# Altium PCB GSMRelay.PcbDoc (continued)
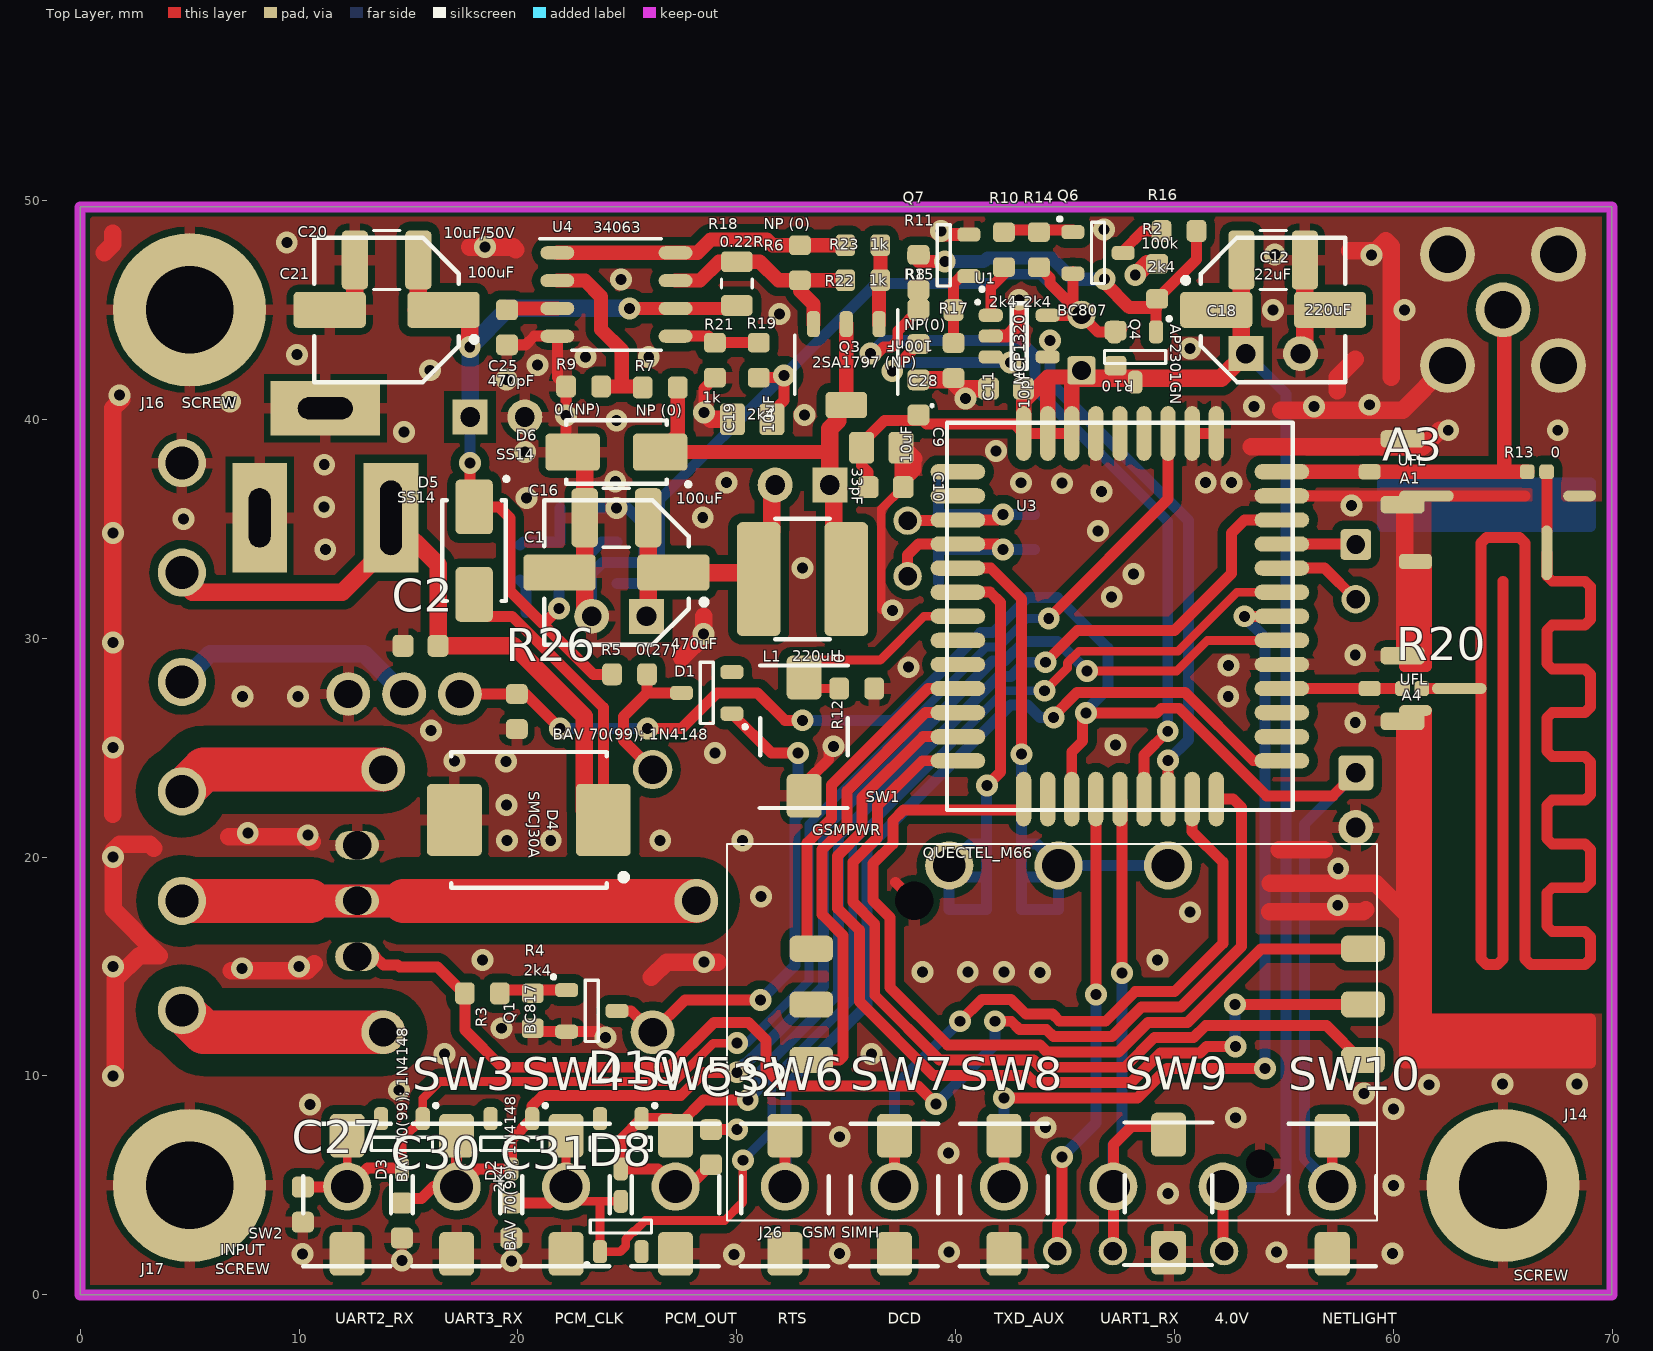
[diagram p0: Top Layer view]
## Footprints (in the part's own frame and the unit in brackets; to place one, negate y for a bottom-side part, rotate by r counter-clockwise, add the part's x,y. Pads: shape width x height; smd on the part's side, far side on the other; paste and mask are expansions set on the pad) (continued)
PTH_MOUNT_HOLE [mm]
  round 7 hole 4: 1(0,0)
PTH_REL_RAS [mm]
  round 2 hole 1.3 mask+0.075: 1(6.15,6) 3(8.15,0) 4(-6.15,6) 5(-6.15,-6)
  round 1.8 hole 1.3 mask+0.075: 2(6.15,-6)
  silkscreen extent -9.6,-7.65 9.6,7.75, body extent -9.6,-7.7 9.6,7.7, height 15.3
PTH_SPEAKER_MCABS-227-RC [mm]
  round 2.2 hole 1.5 mask+0.075: 1(-5,0) 2(0,0) 3(5,0)
  silkscreen extent -11.4,-11.4 11.4,11.4, body extent -11.31,-11.38 11.4,11.38, height 8.7
PTH_TO220AB#1 [mm]
  oval 1.3x2 hole 1.3 mask+0.075: 1(-2.55,-0.35) 2(0,-0.35) 3(2.55,-0.35)
  silkscreen extent -6.45,-2.25 5.1,2.25, body extent -5.12,-2.25 5.12,2.26, height 19.2
PTH_TO220AB#2 [mm]
  round 2 hole 1.3 mask+0.075: 1(-2.55,-0.35) 2(0,-0.35) 3(2.55,-0.35)
  silkscreen extent -6.45,-2.25 5.1,2.25, body extent -5.12,-2.25 5.12,2.26, height 19.2
SMD_0402_RESC1005X37N [mm]
  rrect45% 0.67x0.67 smd mask+0.05: 1(-0.44,0) 2(0.44,0)
  body extent -0.5,-0.25 0.5,0.25, height 0.37
SMD_0603_CAPC1608X95N [mm]
  rrect42% 0.95x1 smd mask+0.075: 1(-0.8,0) 2(0.8,0)
  body extent -0.8,-0.4 0.8,0.4, height 0.95
SMD_0603_RESC1608X55N [mm]
  rrect44% 0.9x1 smd mask+0.075: 1(-0.8,0) 2(0.8,0)
  body extent -0.8,-0.4 0.8,0.4, height 0.55
SMD_0805_CAPC2012X95N [mm]
  rrect35% 1.15x1.45 smd mask+0.075: 1(-0.9,0) 2(0.9,0)
  body extent -1,-0.62 1,0.63, height 1.25
SMD_0805_RESC2012X60N [mm]
  rrect42% 0.95x1.45 smd mask+0.05: 1(-1,0) 2(1,0)
  silkscreen extent -0.2,-0.7 0.2,0.7, body extent -1,-0.6 1,0.6, height 0.6
SMD_1210_CAPC3225X279N [mm]
  rrect35% 1.2x2.7 smd mask+0.075: 1(-1.45,0) 2(1.45,0)
  silkscreen extent -0.6,-1.35 0.6,1.35, body extent -1.6,-1.25 1.6,1.25, height 2.79
SMD_CAPAE660X550N [mm]
  rrect24% 3.3x1.65 smd mask+0.075: 1(-2.6,0) 2(2.6,0)
  silkscreen extent -4.13,-3.3 3.3,3.3, body extent -3.65,-3.3 3.65,3.3, height 5.5
SMD_CON-ATTEND_SIM_115B-AAA0-R01 [mm] "ATTEND SIM Holder 115B-AAA0-R01"
  rrect50% 2x1.2 smd mask+0.05: 1(-20.5,2.19) 2(-20.5,4.73) 3(-20.5,7.27) 5(4.7,2.19) 6(4.7,4.73) 7(4.7,7.27)
  rrect50% 1x1 hole 1.3 mask+0.05: 13(-15.8,12)
  rrect50% 1x1 hole 1.75 mask+0.05: 14(0,0)
  silkscreen extent -21.15,-2.6 8.55,14.6, body extent -21.15,-2.6 8.55,14.6, height 2.4
SMD_CON_ANTENNA_GSM_WIFI_PCB [mm]
  oval 2.5x0.5 smd: 1(1.7,1)
  oval 0.5x1.5 smd: 2(-0.9,2.5) 2(8.9,-5)
  oval 0.5x2.5 smd: 2(-0.9,-4.498) 3(7.9,-3)
  rrect50% 0.7x2.5 smd far side: 2(0,-5.5)
  rrect50% 0.7x1.5 smd: 2(2.1,-5)
  Top Layer lines w0.5: 8.9,-5.5 25,-5.5 25,-4.5 8.9,-4.5 8.9,-5 ; 24.5,-5.496 24.5,3 24,3 24,-5.496 ; 23.5,-5.496 23.5,3 ; 24.45,-5 8.9,-5 ; 6.9,-5 2.1,-5 ; 23,-4.5 23,-5.496 ; 3,-1 20.25,-1 20.5,-1.25 20.5,-1.75 20.25,-2 1.25,-2 1,-1.75 1,-0.25 1.25,0 5,0 20.25,0 20.5,0.25 20.5,2.75 20.25,3 19.25,3 19,2.75 19,1.25 18.75,1 17.25,1 17,1.25 17,2.75 16.75,3 15.25,3 15,2.75 15,1.25 14.75,1 13.25,1 13,1.25 13,2.75 12.75,3 11.25,3 11,2.75 11,1.25 10.75,1 9.25,1 9,1.25 9,2.75 8.75,3 7.25,3 7,2.75 7,1.25 6.75,1 5.25,1 5,1.25 5,2.75 4.75,3 3.25,3 3,2.75 3,1.25 2.75,1 1.7,1 ; 23,-5.496 23,3 25,3 25,-5.496 23,-5.496 ; 8.9,-5 8.975,-4.575 ; 8.9,-5 8.975,-4.575 ; 8.9,-5 8.975,-4.575 ; 2.1,-5 2.1,-5.5 6.9,-5.5 6.9,-4.5 2.1,-4.5 2.1,-5
  Bottom Layer lines w0.5: 0,-6.5 -0.5,-6.5 ; 0,-6.5 0,3 ; 0,-6.5 0.5,-6.5 0.5,3 0,3 ; -0.5,-6.5 -1,-6.5 ; -0.5,-6.5 -0.5,3 ; -1,-6.5 -1.5,-6.5 -1.5,3 -1,3 ; -1,-6.5 -1,3 ; 0,3 -0.5,3 ; -0.5,3 -1,3
SMD_CON_ANTENNA_SMA_RIGHT_ANGLE [mm]
  round 2.5 hole 1.7: 1(0,0) 2(-2.54,-2.54) 2(-2.54,2.54) 2(2.54,-2.54) 2(2.54,2.54)
  silkscreen extent -3.5,-3.5 11.5,3.5, body extent -3.15,-3.15 9.14,3.16, height 9.7
SMD_CON_ANTENNA_UFL [mm]
  rrect50% 0.7x1 smd: 1(0,-1.5)
  rrect50% 0.8x2 smd: 2(-1.5,0) 2(1.5,0)
SMD_DO214AC_SMA [mm]
  rrect24% 2.5x1.7 smd mask+0.075: 1(-2,0) 2(2,0)
  silkscreen extent -3.46,-1.45 2.3,1.65, body extent -2.64,-1.39 2.64,1.4, height 2.29
SMD_DO214AC_SMC [mm]
  rrect16% 2.5x3.3 smd mask+0.075: 1(-3.4,0) 2(3.4,0)
  silkscreen extent -4.47,-3.1 3.55,3.1, body extent -4.06,-3.11 4.07,3.11, height 2.62
SMD_INDM600500 [mm] "FPI0504 DA54"
  rrect25% 2x5.2 smd mask+0.075: 1(-2,0) 2(2,0)
  silkscreen extent -1.25,-2.75 1.25,2.75, body extent -3.1,-3.1 3.1,3.1, height 2.8
SMD_MOD_M66-44N [mm] "Quectel M66"
  oval 2.5x0.7 smd mask+0.075: 1(-7.4,6.6) 2(-7.4,5.5) 3(-7.4,4.4) 4(-7.4,3.3) 5(-7.4,2.2) 6(-7.4,1.1) 7(-7.4,0) 8(-7.4,-1.1) 9(-7.4,-2.2) 10(-7.4,-3.3) 11(-7.4,-4.4) 12(-7.4,-5.5) 13(-7.4,-6.6) 23(7.4,-6.6) 24(7.4,-5.5) 25(7.4,-4.4) 26(7.4,-3.3) 27(7.4,-2.2) 28(7.4,-1.1) 29(7.4,0) 30(7.4,1.1) 31(7.4,2.2) 32(7.4,3.3) 33(7.4,4.4) 34(7.4,5.5) 35(7.4,6.6)
  oval 0.7x2.5 smd mask+0.075: 14(-4.4,-8.35) 15(-3.3,-8.35) 16(-2.2,-8.35) 17(-1.1,-8.35) 18(0,-8.35) 19(1.1,-8.35) 20(2.2,-8.35) 21(3.3,-8.35) 22(4.4,-8.35) 36(4.4,8.35) 37(3.3,8.35) 38(2.2,8.35) 39(1.1,8.35) 40(0,8.35) 41(-1.1,8.35) 42(-2.2,8.35) 43(-3.3,8.35) 44(-4.4,8.35)
  silkscreen extent -8.69,-8.85 7.9,9.73, body extent -7.9,-8.85 7.9,8.85, height 2.3
SMD_SOIC127P600X175-8N [mm]
  oval 1.55x0.6 smd mask+0.075: 1(-2.7,1.905) 2(-2.7,0.635) 3(-2.7,-0.635) 4(-2.7,-1.905) 5(2.7,-1.905) 6(2.7,-0.635) 7(2.7,0.635) 8(2.7,1.905)
  silkscreen extent -3.5,-2.55 2.05,2.55, body extent -3,-2.5 3,2.5, height 1.75
SMD_SOT23_SOT95P240X120-3N [mm]
  rrect62% 1.05x0.65 smd mask+0.075: 1(-1.15,0.95) 2(-1.15,-0.95) 3(1.15,0)
  silkscreen extent -1.82,-1.4 0.3,1.62, body extent -1.2,-1.45 1.2,1.45, height 1.2
"SMD_SOT26_SOT95P285X140-5N - DLV" [mm]
  rrect67% 1.1x0.6 smd mask+0.075: 1(-1.3,0.95) 2(-1.3,0) 3(-1.3,-0.95) 4(1.3,-0.95) 5(1.3,0.95)
  silkscreen extent -2.05,-1.5 0.35,1.7, body extent -1.5,-1.5 1.5,1.5, height 1.2
SMD_SOT89_SOT150P400X130-4N [mm]
  rrect67% 1.2x0.6 smd mask+0.075: 1(-1.85,1.5) 2(-1.85,0) 3(-1.85,-1.5)
  rrect33% 1.2x1.9 smd mask+0.075: 4(1.85,0)
  silkscreen extent -2.5,-2.35 1.35,2.35, body extent -2,-2.27 2,2.28, height 1.3
SMD_SW_DTSM-3 [mm]
  rrect31% 2x1.6 smd mask+0.075: 1(-2.7,0) 2(2.7,0)
  silkscreen extent -3.26,-2 3.25,2.02, body extent -4,-1.75 4,1.75, height 5.5

## Part data
A1 A2 A4: library part ANTENNA_2
A3: library part ANTENNA_3
C1 C17 C18 C21 C22 C29: library part "CAPACITOR POL", "Capacitor"
C2 C19 C25 C28 C33: library part CAP, "Capacitor"
C3 C4 C5 C6 C7 C8 C9 C10 C11 C13 C14 C15 C16 C20 C23 C24 C26 C27 C30 C31 C32: library part C
C12: library part "Cap Semi", "CL32A227MQVNNNE 220UF 6.3V 20% X5R 1210"
D1 D2 D3 D7 D8 D10: library part D_A1C3, "1N4148"
D4: library part D
D5 D6: library part D_STKY
J1 J2 J7 J8 J9 J10 J11 J12 J13: library part CON_2PINS
J3 J6 J15: library part CON_3PINS
J5: library part CON_4PINS
J14 J16 J17: library part CON_1PIN
J26: library part CON_14PINS
K1: library part RELAY_SPDT
L1: library part INDUCTOR1, "FPI0504 DA54"
L2: library part INDUCTOR1
Q1 Q7: library part BJT_NPN_B1E2C3
Q2 Q5: library part MOS_N_D1_G1D2S3
Q3: library part BJT_PNP_B1C2E3C4
Q4: library part MOS_P_D1_G1S2D3
Q6: library part BJT_PNP_B1E2C3
R1 R2 R3 R4 R5 R6 R7 R8 R9 R10 R11 R12 R13 R14 R15 R16 R17 R20 R24 R25 R26: library part R
R18 R19 R21 R22 R23: library part RES2
SW1 SW2 SW3 SW4 SW5 SW6 SW7 SW8 SW9 SW10: library part BUTTON_3
U1: library part IC_MCP1320, "Voltage Supervisor with Watchdog"
U2: "MCP73812"
U3: library part MOD_QUECTEL_M66
U4: "DC/DC converter"

## Via types
v1: diameter 1, hole 0.5, Top Layer to Bottom Layer, tented both sides, 163 vias

## Nets (pads, with @x,y where several pads share a name; then routed paths per layer and width w, separated by ;. In a path a pad name is that pad's centre, name@x,y a point inside that pad or via, vN(x,y) a via of type N, cw(c..) or ccw(c..) an arc to the next point about the centre after c; other vN are vias at no path point)
4.0V: C1.1 C16.2 C17.1 C19.1 D7.3 J1.1 L1.2 L2.2 Q4.2 Q6.2 R1.1 R14.2 R19.1 U1.5 U2.3 | length 55.8
  Top Layer w0.5: R19.1 32.05,41.9 v1(32.15,42) 32.15,40.854 31.6,40.304 C19.1 ; R14.2 44.3,46.45 44.3,46.194 J1.1@45.35,45.144 ; U1.5 J1.1@45.744,44.75 ; Q6.2@45.35,46.75 J1.1@45.35,45.144 ; R1.1@47.6,44.144 47.45,43.994 46.5,43.994 J1.1@45.744,44.75 ; J1.1@45.35,45.144 J1.1@45.744,44.75
  Top Layer w0.8: C17.1 25.95,31.079 C16.2 ; C1.1 31,33 31,34.3 31.6,34.9 31.6,36.85 L2.2
  Bottom Layer w0.5: U2.3 25.866,32.5 ; C17.1 25.871,32.496 26.475,33.1 26.475,36.325 v1(32.15,42) 36.35,46.2 41.775,46.2 42.2,46.625 43.869,46.625 J1.1@45.744,44.75
8-24V: C2.1 D4.1 D5.2 J4.2 J6.1 | length 46.5
  Top Layer w0.5: J4.2@4,32.5 J4.2@4.72,32.5 ; J6.1@14,34.57 14,35.07 J6.1@14.77,34.3 ; D5.2 18,31.075 18.075,31 19.725,31 23.9,26.825 D4.1
  Top Layer w0.8: J4.2@4.72,32.5 5.12,32.1 11.975,32.1 J6.1@13.85,33.975 ; J6.1 16.35,33.35 C2.1 19.8,29.65 23.025,26.425 23.025,22.149 D4.1@23.974,21.2
ADC0: U3.9
AGND: U3.1
AVDD: U3.8
BT_ANT: A4.1 R20.2 U3.26 | length 5.5
  Top Layer w0.5: U3.26 A4.1 R20.2
BTN_CALL: C32.1 D10.1 D10.3 J7.1 SW5.2 U3.33 | length 55.6
  Top Layer w0.5: SW5.2@27.2,7.25 26.956,7.006 26.956,8.05 D10.1 24.7,7.1 D10.3 26.4,5.75 J7.1 27.82,4.95 C32.1 ; SW5.2@27.437,7.143 27.437,7.862 28.475,8.9 v1(30.5,8.9) ; v1(44.1,28.9) 45.55,30.35 50,30.35 52.6,32.95 52.6,34.8 53.2,35.4 U3.33
  Bottom Layer w0.5: v1(30.5,8.9) 30.95,9.35 30.95,10.117 30.983,10.15 31.009,10.15 34.65,13.791 34.65,20.938 41.962,28.25 42.518,28.25 43.168,28.9 v1(44.1,28.9)
BTN_CALL_DENY: C31.1 D8.1 D8.3 J7.2 SW4.2 U3.30 | length 61.2
  Top Layer w0.4: SW4.2@22.2,7.65 J7.2 22.875,4.275 D8.3 ; 23.75,4.225 D8.1 24.675,1.975 24.925,2.225 24.925,2.548 25.277,2.9 25.325,2.9 25.825,3.4 29.437,3.4 30.275,4.238 v1(30.275,6.15) ; v1(44.055,27.6) 44.073,27.6 45.1,28.627 45.1,28.873 45.627,29.4 50.15,29.4 52.85,32.1 U3.30
  Top Layer w0.5: C31.1 21.45,4.2 J7.2
  Bottom Layer w0.4: v1(30.275,6.15) 31.6,7.475 31.6,9.822 35.3,13.522 35.3,20.669 42.231,27.6 v1(44.055,27.6)
COIL: D1.3 K1.2 R5.1 | length 6.9
  Top Layer w0.5: R5.1 25.9,27.5 ; K1.2 24.824,25.326 24.824,26.424 25.9,27.5 ; D1.3 25.9,27.5
COMMON: J3.2 K1.3 Q2.2 | length 47
  Top Layer w1.5: 10.5,18 14.8,18
  Top Layer w2: J3.2 10.5,18 ; 14.8,18 K1.3
  Bottom Layer w1.5: 10.5,18 Q2.2 14.8,18
  Bottom Layer w2: J3.2 10.5,18 ; 14.8,18 K1.3
DBGTXD: U3.39
DIV_IN1: C30.1 D2.1 D2.3 J2.1 SW3.2 U3.28 | length 60
  Top Layer w0.4: v1(46,28.5) 50.099,28.5 51.499,29.9 U3.28
  Top Layer w0.5: C30.1 14.9,4.4 15.6,4.4 16.15,4.95 J2.1 SW3.2@17.2,7.65 ; J2.1@17.25,4.85 18.15,5.75 D2.3 19.7,7.1 D2.1 20.65,8.625 21.125,9.1 27.438,9.1 28.508,10.169 v1(30,10.169)
  Bottom Layer w0.5: v1@30.006,10.163 30.006,10.26 30.297,10.55 30.394,10.55 30.694,10.85 30.719,10.85 33.95,14.081 33.95,21.228 41.672,28.95 42.228,28.95 43.128,29.85 44.65,29.85 v1(46,28.5)
DIV_IN2: C27.1 D3.1 D3.3 J2.2 SW2.2 U3.38 | length 64
  Top Layer w0.4: J2.2@12.2,4.936 J2.2 SW2.2@12.2,7.65 ; D3.3 14.7,5.8 14.7,7.1 D3.1 15.65,8.975 16.425,9.75 27.169,9.75 28.919,11.5 v1(30,11.5)
  Top Layer w0.5: C27.1 12.211,4.925 12.236,4.9 13.136,5.8 D3.3@14.7,5.8 ; v1(44.248,30.9) 49.7,36.352 U3.38
  Bottom Layer w0.4: v1(30,11.5) 30.45,11.5 33.3,14.35 33.3,21.498 41.402,29.6 41.958,29.6 43.258,30.9 44.107,30.9 44.248,31.042 v1(44.248,30.9)
GND: A1.2 A2.2 A3.2 A4.2 C1.2 C2.2 C3.1 C4.1 C5.1 C6.1 C9.2 C10.2 C11.2 C12.2 C15.2 C16.1 C17.2 C18.2 C19.2 C20.1 C21.2 C22.2 C23.2 C24.2 C25.2 C26.2 C27.2 C28.1 C29.2 C30.2 C31.2 C32.2 C33.1 D4.2 D6.2 D7.1 J4.3 J5.3 J6.2 J6.3 J13.2 J14.1 J16.1 J17.1 J26.13 J26.14 Q1.2 Q2.3 Q5.3 Q7.2 R2.1 R4.2 R9.1 R12.2 R17.1 R21.2 R25.2 R26.2 SW1.1 SW2.1 SW3.1 SW4.1 SW5.1 SW6.1 SW7.1 SW8.1 SW9.1 SW10.1 U1.2 U2.2 U3.27 U3.34 U3.36 U3.37 U3.40 U3.41 U4.4 | length 184.8
  Top Layer w0.4: 36.6,31.316 36.6,35.9 C10.2
  Top Layer w0.5: C21.2 12.525,45 C21.2@12.55,45.025 ; C25.2 20.35,43.4 20.745,43.795 U4.4 21.8,41.9 R9.1 22.2,38.8 D6.2 ; R4.2 20.825,12.025 23.725,12.025 v1(24,11.75) ; v1(28.5,40.317) 28.5,41.4 R21.2 ; C32.2 v1(30,7.55) ; SW1.1 33.075,23.34 34.2,24.465 34.2,24.84 v1(34.422,25.062) ; 37.25,18.85 J26.14 ; U3.37 U3.36 ; U3.34 66,36.5 ; C29.2 C29.2@55.95,43.2
  Top Layer w0.6: v1(39.325,48.6) 39.325,48.65 39.535,48.44 Q7.2 ; U1.2 42.342,43.8 42.884,44.343 v1(42.884,45.462)
  Top Layer w0.8: 1.105,47.605 1.5,48 1.5,48.5 ; 1.5,21.95 1.5,40.5 v1@1.9,40.9 ; v1@1.604,10.442 1.604,14.412 2.692,15.5 3.614,15.5 1.507,17.607 1.507,20.286 1.8,20.579 3.188,20.579 3.367,20.4 ; 6.8,20.93 10.37,20.93 v1@10.6,20.7 ; 6.9,14.807 10.375,14.807 10.7,15.132 ; J6.3@8,35.07 J6.3@8,37.07 ; C21.2@12.55,45.025 C20.1 ; D4.2@16.75,22.6 D4.2@17.4,22.6 ; 17.8,47.87 19.78,47.87 19.9,47.75 ; D6.2 23.05,37.95 C16.1 23.05,31.321 C17.2 ; 26.1,14.504 26.796,15.2 29.125,15.2 ; 27.492,29.098 28.478,30.084 28.478,31 ; v1(28.5,40.317) 28.817,40 C19.2 ; C9.2 37.6,38.6 C10.2@37.6,37.3 ; C9.2@37.541,38.741 38.086,38.195 38.025,38.134 38.025,37.725 C10.2@37.6,37.3 ; C10.2 C10.2@37.6,37.3 ; C28.1 39.814,41.8 40.214,41.4 C11.2 ; v1(48.2,46.6) 48.25,46.6 48.75,47.1 R2.1 ; 53.5,38.741 61.341,38.741 62.1,39.5 v1(62.5,39.5) ; 54.347,17.5 58.626,17.5 58.726,17.6 ; 54.373,18.8 59.186,18.8 60.504,17.482 A4.2@60.504,26.2 ; 54.77,20.33 56.831,20.33 ; 54.845,40.42 60.42,40.42 A2.2@62.46,42.46 ; C29.2@55.95,43.2 C12.2@55.95,47.5 ; 57.424,41.299 57.424,41.914 58.253,42.743 ; 57.99,47.69 59.19,47.69 59.65,48.15 59.9,47.9 59.9,41.925 ; A1.2@60.41,36.1 60.504,36.006 A4.2@60.504,29.2 ; A1.2@60.41,39.1 A1.2@60.769,38.741
  Bottom Layer w0.5: C17.2 23.371,32.956 23.865,33.45 U2.2 25.75,33.45 25.75,35.2 25,35.95 R25.2
  other v1: 19.7,1.541 14.7,1.575 29.875,1.85 10.15,1.875 34.7,1.9 59.95,1.9 39.7,1.95 54.65,1.95 49.7,4.625 60,5 39.675,6.475 34.7,7.225 44.1,7.65 52.79,8.092 60,8.5 10.5,8.7 58.65,9.2 14.575,9.35 61.625,9.6 64.975,9.642 68.375,9.642 1.5,10 16.644,11 36.147,11 19.25,12.181 43.85,14.725 38.475,14.75 40.55,14.75 42.2,14.75 7.397,14.92 1.5,15 10,15 28.5,15.2 18.375,15.3 49.225,15.3 50.7,17.482 57.45,17.8 31.111,18.203 57.475,19.475 1.5,20 19.5,20.75 21.5,20.75 26.5,20.75 30.25,20.75 10.4,21 7.659,21.1 19.475,22.375 17.102,24.382 19.46,24.375 29,24.75 1.5,25 47.303,25.125 16.025,25.775 58.25,26.15 7.423,27.343 9.948,27.343 52.45,27.343 37.85,28.675 52.468,28.75 58.25,29.225 1.5,29.8 28.478,30.195 37.111,31.275 47.125,31.875 48.124,32.925 33.004,33.2 11.2,34.05 1.5,34.8 46.493,34.89 4.72,35.45 28.444,35.52 24.5,35.95 11.15,35.987 58.073,36.059 20.396,36.4 46.661,36.7 44.847,37.08 29.529,37.111 42.984,37.1 51.419,37.111 52.6,37.12 24.448,37.162 11.151,37.925 20.315,38.5 41.837,38.55 14.8,39.425 67.5,39.5 24.5,39.95 22.2,40.175 33.096,40.2 53.622,40.579 56.372,40.579 58.91,40.665 6.85,40.8 40.45,40.95 1.8,41.1 19.475,41.825 15.975,42.24 20.897,42.475 23.084,42.844 25.975,42.85 9.9,42.95 50.7,43.227 31.947,44.807 54.5,45 60.5,45 24.706,46.379 59,47.5 54.575,47.525 18.5,47.87 9.44,48.084 46.775,48.675
GSM_DTR: R8.1 R11.2 R15.2 U3.19 | length 34.6
  Top Layer w0.5: v1(36.1,43) 36.4,43 36.7,43.3 37.057,43.3 37.35,43.593 37.35,44.04 R8.1 ; U3.19 48.6,24.665 v1(49.685,25.75)
  Bottom Layer w0.5: v1(36.1,43) 36.693,43.593 42.936,43.593 43.614,42.915 43.614,41.413 49.685,35.342 v1(49.685,25.75)
GSM_PWRKEY: R12.1 SW1.2 U3.7 | length 10.3
  Top Layer w0.4: R12.1 33.575,27.7 SW1.2 33.075,28.7 33.375,29 36.55,29 38.55,31 U3.7
GSM_RI: U1.4 U3.20 | length 24.8
  Top Layer w0.5: U1.4 44.314,42.964 v1(44.314,43.6) ; U3.20 v1(49.7,24.421)
  Bottom Layer w0.5: v1(44.314,43.6) 44.314,41.703 50.635,35.382 50.635,25.356 v1(49.7,24.421)
GSM_RTS: J8.2 SW6.2 U3.23 | length 43.4
  Top Layer w0.5: J8.2 SW6.2@32.2,7.65 ; v1(44.475,26.375) 44.475,26.452 45.548,27.525 50.465,27.525 53.59,24.4 U3.23
  Bottom Layer w0.5: J8.2 32.25,5 32.25,9.552 35.95,13.252 35.95,20.4 42.5,26.95 43.27,26.95 43.845,26.375 v1(44.475,26.375)
GSM_RX: J5.2 J9.1 SW9.2 U3.18 | length 26.1
  Top Layer w0.5: J5.2@47.23,2 47.2,2.03 J9.1 47.2,6.87 48.03,7.7 SW9.2@49.75,7.7 ; U3.18 47.6,22.55 v1(47.6,14.7)
  Bottom Layer w0.5: J9.1@47.23,4.95 47.5,5.22 47.45,5.27 47.625,5.445 47.18,5.89 47.18,6.85 47.6,7.27 v1(47.6,14.7)
GSM_TX: J5.1 U3.17 | length 21.5
  Top Layer w0.5: J5.1 44.64,3.225 44.847,3.432 v1(44.847,6.3) ; v1(46.4,13.725) U3.17@46.4,22.75
  Bottom Layer w0.5: v1(44.847,6.3) 46.4,7.853 v1(46.4,13.725)
GSM_VDD: C9.1 C10.1 C11.1 C12.1 C18.1 C28.2 C29.1 J1.2 J5.4 J10.2 Q4.3 R1.2 U3.42 U3.43 U3.44 | length 79
  Top Layer w0.5: C9.1 35.7,37.9 36,37.6 C10.1 ; C9.1@35.7,38.8 35.7,38.9 36.75,39.95 38.49,39.95 38.665,39.775 42.675,39.775 U3.44 U3.43 U3.42 ; J10.2 52.2,2.11 J5.4@52.31,2 ; C29.1@53.05,43.2 C29.1
  Top Layer w0.7: U3.44 43.1,40.815 44.22,41.936 J1.2@45.3,41.936 ; U3.43 44.2,41.925 ; U3.42 J1.2@45.3,41.886
  Top Layer w0.8: J1.2@45.3,41.886 52.136,41.886 C29.1 ; C29.1@53.05,43.2 C12.1@53.05,47.5
  Bottom Layer w0.5: J10.2 52.2,4.9 54.475,4.9 55.085,5.51 55.085,41.165 C29.1
LED_GREEN: J11.1 U3.32 | length 3.4
  Top Layer w0.5: U3.32 J11.1@58.253,34.3
LED_NETWORK: J10.1 J13.1 Q5.1 R26.1 SW10.2 U3.16 | length 79.9
  Top Layer w0.5: Q5.1 20.35,27.45 v1(21.925,25.875) ; v1(25.912,25.875) 27.475,25.875 29.1,27.5 30.95,27.5 32.2,26.25 v1(33,26.25) ; U3.16 45.3,24.8 45.8,25.3 45.8,26.425 v1(45.95,26.575) 49.166,26.575 49.391,26.8 50.2,26.8 54.2,22.8 57.225,22.8 J13.1 ; J10.1 SW10.2@57.2,7.65
  Bottom Layer w0.5: v1(21.925,25.875) v1(25.912,25.875) ; v1(33,26.25) 37.133,26.25 41.133,30.25 41.689,30.25 43.289,31.85 44.642,31.85 46.95,29.542 46.95,27.7 45.95,26.7 v1(45.95,26.575) ; J10.1 55.925,6.225 55.925,21.5 J13.1
LED_RED: J11.2 U3.31 | length 4
  Top Layer w0.5: U3.31 56.853,33.2 J11.2
MICN: C7.2 C8.2 C15.1 C23.1 J12.1 U3.4 | length 11.5
  Top Layer w0.5: J12.1 37.8,33.797 38.303,34.3 U3.4 41.912,34.3 v1(42.162,34.05)
  Bottom Layer w0.5: C15.1 39.22,32.555 C7.2 C8.2 v1(42.162,34.05) C23.1@43.6,34.05
MICP: C3.2 C4.2 C7.1 C8.1 J12.2 U3.3 | length 10.4
  Top Layer w0.5: J12.2 40.07,35.37 U3.3 41.913,35.4 v1(42.163,35.65)
  Bottom Layer w0.5: C4.2 39.22,37.145 C7.1 C8.1 v1(42.163,35.65) C3.2
NC: J3.3 K1.5 | length 19.2
  Top Layer w2: J3.3 5.65,24 K1.5
  Bottom Layer w2: J3.3 5.65,24 K1.5
NetA3_1: A3.1 A3.3 R13.1 R20.1 | length 4.4
  Top Layer w0.5: R20.1 A3.3 ; A3.1@67,34.9 R13.1@67,37.6
NetC25_1: C25.1 U4.3 | length 2.3
  Top Layer w0.65: C25.1 19.565,45.065 U4.3
NetD6_1: D6.1 L1.1 L2.1 Q3.2 Q3.4 R7.2 | length 23.2
  Top Layer w0.65: R7.2@27.3,41.5 27.3,39.3 D6.1 34.2,38.5 ; Q3.4 Q3.2
  Top Layer w0.8: L1.1@35,33 35,33.622 34.422,34.2 34.422,36.828 L2.1 34.25,39.575 34.6,39.925 34.6,40.65 Q3.4
NetQ1_1: Q1.1 R3.1 R4.1 | length 3.1
  Top Layer w0.5: R3.1 19.325,13.925 Q1.1
NetQ3_1: Q3.1 R22.2 R23.1 | length 3.6
  Top Layer w0.65: Q3.1 36.5,46.292 R22.2 R23.1
NetQ3_3: Q3.3 R6.2 R18.1 R22.1 U4.7 | length 10.7
  Top Layer w0.65: U4.7 28.317,46.335 29.182,47.2 R18.1 31.05,47.2 31.9,46.35 R6.2 ; Q3.3 33.5,45.252 32.882,45.871 R6.2 ; R22.1 R6.2
NetQ6_3: Q6.3 R16.2 | length 2.1
  Top Layer w0.5: Q6.3@47.65,47.7 48.55,48.6 R16.2
NetQ7_1: Q7.1 R8.2 R17.2 | length 3.5
  Top Layer w0.5: R17.2 R8.2 39.9,46.19 40.25,46.54 Q7.1
NetR6_1: R6.1 R23.2 U4.1 U4.8 | length 13.5
  Top Layer w0.65: U4.1 U4.8 28.205,47.605 28.811,48.211 31.364,48.211 31.625,47.95 R6.1 R23.2
NetR7_1: R7.1 R9.2 U4.2 | length 8.7
  Top Layer w0.65: U4.2 23.065,46.335 23.8,45.6 23.8,44.1 24.748,43.152 24.748,41.5 ; R9.2 24.748,41.5 ; R7.1@25.7,41.5 24.748,41.5
NetR19_2: R19.2 R21.1 U4.5 | length 3.9
  Top Layer w0.5: U4.5 28.705,43.795 R21.1 R19.2
NO: J3.1 K1.4 | length 19.2
  Top Layer w2: J3.1 5.65,12 K1.4
  Bottom Layer w2: J3.1 5.65,12 K1.4
OUT: Q2.1 R3.2 U3.22 | length 58.5
  Top Layer w0.5: Q2.1 13.484,15.45 13.865,15.07 14.505,15.07 14.6,14.975 16.325,14.975 17.575,13.725 17.575,12.1 19.275,10.4 26.9,10.4 28.95,12.45 30.525,12.45 31.325,11.65 31.325,10.325 32.1,9.55 38.275,9.55 v1(39.1,8.725) ; v1(41.8,12.5) 42.535,12.5 42.91,12.125 44.135,12.125 44.46,11.8 47.14,11.8 48.49,13.15 50.29,13.15 53.05,15.91 53.05,22.275 52.675,22.65 U3.22
  Bottom Layer w0.5: v1(39.1,8.725) 41.8,11.425 v1(41.8,12.5)
OUTPUT: D1.1 K1.1 Q1.3 | length 23.5
  Top Layer w0.5: Q1.3 25.175,12.975 K1.1 27.625,13.475 v1(31.075,13.475) ; D1.1 31.575,24.75 v1(32.8,24.75)
  Bottom Layer w0.5: v1(31.075,13.475) 32.65,15.05 32.65,21.767 33,22.117 32.8,22.317 v1(32.8,24.75)
OUTPUT2: J4.1 Q5.2 | length 11.5
  Bottom Layer w0.8: J4.1 5.95,29.3 12.95,29.3 Q5.2
PROG: R24.2 R25.1 U2.5 | length 3.4
  Bottom Layer w0.5: R24.2@20.1,34.25 20.25,34.4 U2.5 R25.1
RESERVED: U3.15
RF_ANT: A1.1 A2.1 R13.2 U3.35 | length 18.6
  Top Layer w0.65: U3.35 A1.1 65.06,37.6 ; A2.1@65.06,45 65.06,37.6 ; R13.2 65.06,37.6
RFTXMON: U3.25
SENSE_5V: J8.1 SW7.2 U3.21 | length 33
  Top Layer w0.5: J8.1 SW7.2@37.2,7.65 ; v1(40.2,12.5) 41.2,13.5 42.525,13.5 43.2,12.825 44.425,12.825 44.75,12.5 46.85,12.5 48.2,13.85 50,13.85 52.2,16.05 52.2,19.775 50.8,21.175 U3.21
  Bottom Layer w0.5: J8.1 37.2,9.5 v1(40.2,12.5)
SIM_CLK: J26.3 U3.13 | length 39.1
  Top Layer w0.5: U3.13 38.475,24.4 36.425,22.35 36.425,20.889 35.3,19.764 35.3,17.951 36.3,16.951 36.3,13.69 39.265,10.725 43.555,10.725 43.88,10.4 47.72,10.4 49.07,11.75 50.87,11.75 51.42,12.3 56.93,12.3 J26.3@58.5,10.73
SIM_GND: J26.5 U3.10 | length 15.6
  Top Layer w0.5: J26.5@33.3,15.81 33.2,15.91 33.2,20.634 34.325,21.759 34.325,23.3 38.725,27.7 U3.10
SIM_IO: J26.7 U3.11 | length 21.2
  Top Layer w0.5: J26.7@33.3,10.73 34.688,10.73 34.85,10.892 34.85,16.421 33.9,17.371 33.9,20.344 35.025,21.469 35.025,23.01 38.615,26.6 U3.11
SIM_RST: J26.2 U3.12 | length 42.8
  Top Layer w0.5: U3.12 38.505,25.5 35.725,22.72 35.725,21.179 34.6,20.054 34.6,17.661 35.6,16.661 35.6,13.4 38.975,10.025 43.265,10.025 43.59,9.7 48.01,9.7 49.36,11.05 51.16,11.05 51.46,11.35 v1(52.775,11.35) ; v1(52.75,13.27) J26.2@58.5,13.27
  Bottom Layer w0.5: v1(52.75,13.27) 52.75,11.375 v1(52.775,11.35)
SIM_VDD: J26.1 U3.14 | length 39.7
  Top Layer w0.5: U3.14 43.1,22.15 37.614,22.15 37.125,21.661 37.125,20.599 36.225,19.699 36.225,18.023 37,17.248 37,14.05 39.625,11.425 43.845,11.425 44.17,11.1 47.43,11.1 48.78,12.45 50.58,12.45 53.94,15.81 J26.1@58.5,15.81
SIM_VPP1: J26.6
SPK2P: U3.2
SPKN: C13.2 C14.2 C24.1 C26.1 J15.1 U3.6 | length 24.2
  Top Layer w0.5: U3.6 41.575,32.1 42.05,31.625 42.05,23.894 v1@41.4,23.244
  Bottom Layer w0.5: v1(41.425,23.269) 41.4,23.244 C14.2 ; J15.1 40.681,20.6 C14.2 ; J15.1 40.219,19.1 C13.2 ; J15.1 C26.1 C24.1 C13.2 ; C13.2 C14.2
SPKP: C5.2 C6.2 C13.1 C14.1 J15.2 J15.3 U3.5 | length 30.5
  Top Layer w0.5: U3.5 41.6,33.2 43,31.8 v1(43,24.7)
  Bottom Layer w0.5: v1(43,24.7) C14.1 ; J15.3@49.7,19.66 J15.3 J15.2 ; C13.1 44.181,19.1 J15.2 ; C13.1 C14.1 ; C13.1 C5.2 C6.2 J15.2 ; C14.1 43.719,20.6 J15.2
TXD_AUX: J9.2 SW8.2 U3.29 | length 42
  Top Layer w0.5: J9.2 SW8.2@42.2,7.65 ; v1(42.2,9) 48.3,9 49.65,10.35 v1(54.125,10.35) ; v1(53.2,31) U3.29
  Bottom Layer w0.5: J9.2 v1(42.2,9) ; v1(53.2,31) 53.2,30.95 54.125,30.025 v1(54.125,10.35)
VCC: C20.2 C21.1 C22.1 C33.2 D5.1 R5.2 R18.2 R24.1 U2.1 U2.4 U4.6 | length 47.6
  Top Layer w0.5: C21.1@15.25,44.95 15.2,45 15.45,45 C21.1 ; v1(17.811,38) 17.811,36.189 D5.1 19.132,36 19.641,35.491 19.641,32.159 23.45,28.35 R5.2 ; 21.175,30.65 v1(21.875,31.35) v1@21.7,31.35 ; R18.2@29.865,45.065 R18.2
  Top Layer w0.6: v1(25.1,45.065) U4.6 R18.2@29.865,45.065
  Top Layer w0.8: C21.1@15.45,45 C20.2@15.45,47.5 ; C21.1 17.732,45 17.8,44.932 v1(17.8,43.3)
  Bottom Layer w0.5: v1(17.811,38) 17.811,40.1 17.815,40.096 C22.1 ; R24.1@20.1,32.65 R24.1@20.25,32.5 ; C33.2 20.375,32.375 R24.1@20.25,32.5 ; v1(21.875,31.35) 21.875,32.45 U2.4 ; U2.1 23.825,34.4 U2.4 ; R24.1@20.25,32.5 U2.4
  Bottom Layer w0.8: v1(17.8,43.3) 19.565,45.065 v1(25.1,45.065) ; C22.1 v1@17.815,43.3
VDD_EXT: U3.24
WDTBASE: Q6.1 R10.2 R14.1 | length 3.2
  Top Layer w0.5: R10.2 42.3,48.65 Q6.1@45.35,48.65
WDTEN_ST: R15.1 U1.3 | length 7.4
  Top Layer w0.25: v1(37.1,42.2) v1@37.1,42.24 ; U1.3@41.6,42.711 U1.3
  Top Layer w0.5: v1@37.1,42.24 R15.1
  Bottom Layer w0.5: v1(37.1,42.2) 37.5,42.6 v1(42.5,42.6)
WDTGATE: Q4.1 Q7.3 R2.2 R11.1 R16.1 | length 17.6
  Top Layer w0.5: Q4.1 49.15,45.1 49.15,45.45 R2.2 51,47.3 R16.1
  Top Layer w0.6: Q7.3 38.3,47.2 v1(39.5,47.2) ; v1(46.8,46.4) 46.8,46.236 47.936,45.1 R2.2@49.15,45.1
  Bottom Layer w0.6: v1(39.5,47.2) 41.275,47.2 41.45,47.375 44.375,47.375 45.35,46.4 v1(46.8,46.4)
WDTRST: R10.1 U1.1 | length 2.4
  Top Layer w0.5: U1.1 41.6,46.025 42.2,46.625 R10.1
pads on no net: D1.2 D2.2 D3.2 D7.2 D8.2 D10.2

## Polygon pours and split planes (outlines as drawn)
GND on Top Layer "Top Layer-No Net 1" (solid, pour order 4): 0,49.7 0,0 69.975,0 69.975,49.7
GND on Bottom Layer "Top Layer-No Net 1" (solid, pour order 6): 0,0 69.975,0 69.975,49.7 0,49.7

## Keep-outs
Keep-Out Layer:
  the board outline again, w0.5

## Other copper
Top Layer:
  pour cut-out: 69.617,36.25 61.725,36.25 61.725,12.854 69.617,12.85
Bottom Layer:
  pour cut-out: 69.394,34.85 61.714,34.85 61.714,12.854 69.394,12.85

## Silkscreen, mask and mechanical layers (free items; w line width, h text height)
Top Overlay:
  text "UART2_RX" at 11.65,-1.325 h0.5
  text "UART3_RX" at 16.625,-1.325 h0.5
  text "PCM_CLK" at 21.675,-1.325 h0.5
  text "PCM_OUT" at 26.7,-1.325 h0.5
  text "RTS" at 31.875,-1.325 h0.5
  text "DCD" at 36.9,-1.325 h0.5
  text "TXD_AUX" at 41.75,-1.325 h0.5
  text "UART1_RX" at 46.6,-1.325 h0.5
  text "4.0V" at 51.825,-1.325 h0.5
  text "NETLIGHT" at 56.75,-1.325 h0.5
  text "CALL_DENY" at 21.587,-2.65 h0.5
  text "RXD_AUX" at 16.559,-2.675 h0.5
  text "BTN_CALL" at 26.775,-2.675 h0.5
  text "0" at 16.575,-4 h0.5
  text "1" at 21.625,-4 h0.5
  text "2" at 26.65,-4 h0.5
  text "3" at 31.825,-4 h0.5
  text "4" at 36.85,-4 h0.5
  text "BTN_MATRIX" at 6.45,-4.1 h0.5

## Text inside footprints (layer, text, board x,y; h text height)
C17: Mechanical 3 "+" at 28.285,30.736 h0.5; Bottom Overlay "+" at 30.117,30.604 h0.75
C22: Mechanical 3 "+" at 15.401,40.364 h0.5 r180; Bottom Overlay "+" at 13.569,40.496 h0.75 r180
C29: Mechanical 3 "+" at 50.836,43.264 h0.5 r180; Bottom Overlay "+" at 49.004,43.396 h0.75 r180
J1: Mechanical 3 "1" at 46.694,45.81 h0.5 r90
J2: Mechanical 3 "1" at 18.76,5 h0.5
J3: Mechanical 3 "1" at 4.75,11.59 h0.5 r270
J4: Mechanical 3 "1" at 4.75,26.59 h0.5 r270
J5: Mechanical 3 "4" at 53.021,3 h0.5 r180; Mechanical 3 "1" at 43.59,2.95 h0.5 r180
J7: Mechanical 3 "1" at 28.76,5 h0.5
J8: Mechanical 3 "1" at 38.76,5 h0.5
J9: Mechanical 3 "1" at 48.76,5 h0.5
J10: Mechanical 3 "1" at 58.76,5 h0.5
J11: Mechanical 3 "C" at 58.575,35.257 h0.5 r90; Bottom Overlay "C" at 58.725,36.571 h0.75 r90
J13: Mechanical 3 "C" at 58.575,24.829 h0.5 r90; Bottom Overlay "C" at 58.725,26.143 h0.75 r90
J15: Mechanical 3 "1" at 38.29,19.519 h0.5 r180
L2: Mechanical 3 "+" at 36.664,36.736 h0.5; Bottom Overlay "+" at 38.496,36.604 h0.75